# KiCad board panel-74pad-70pin-mezzanine.kicad_pcb (continued)
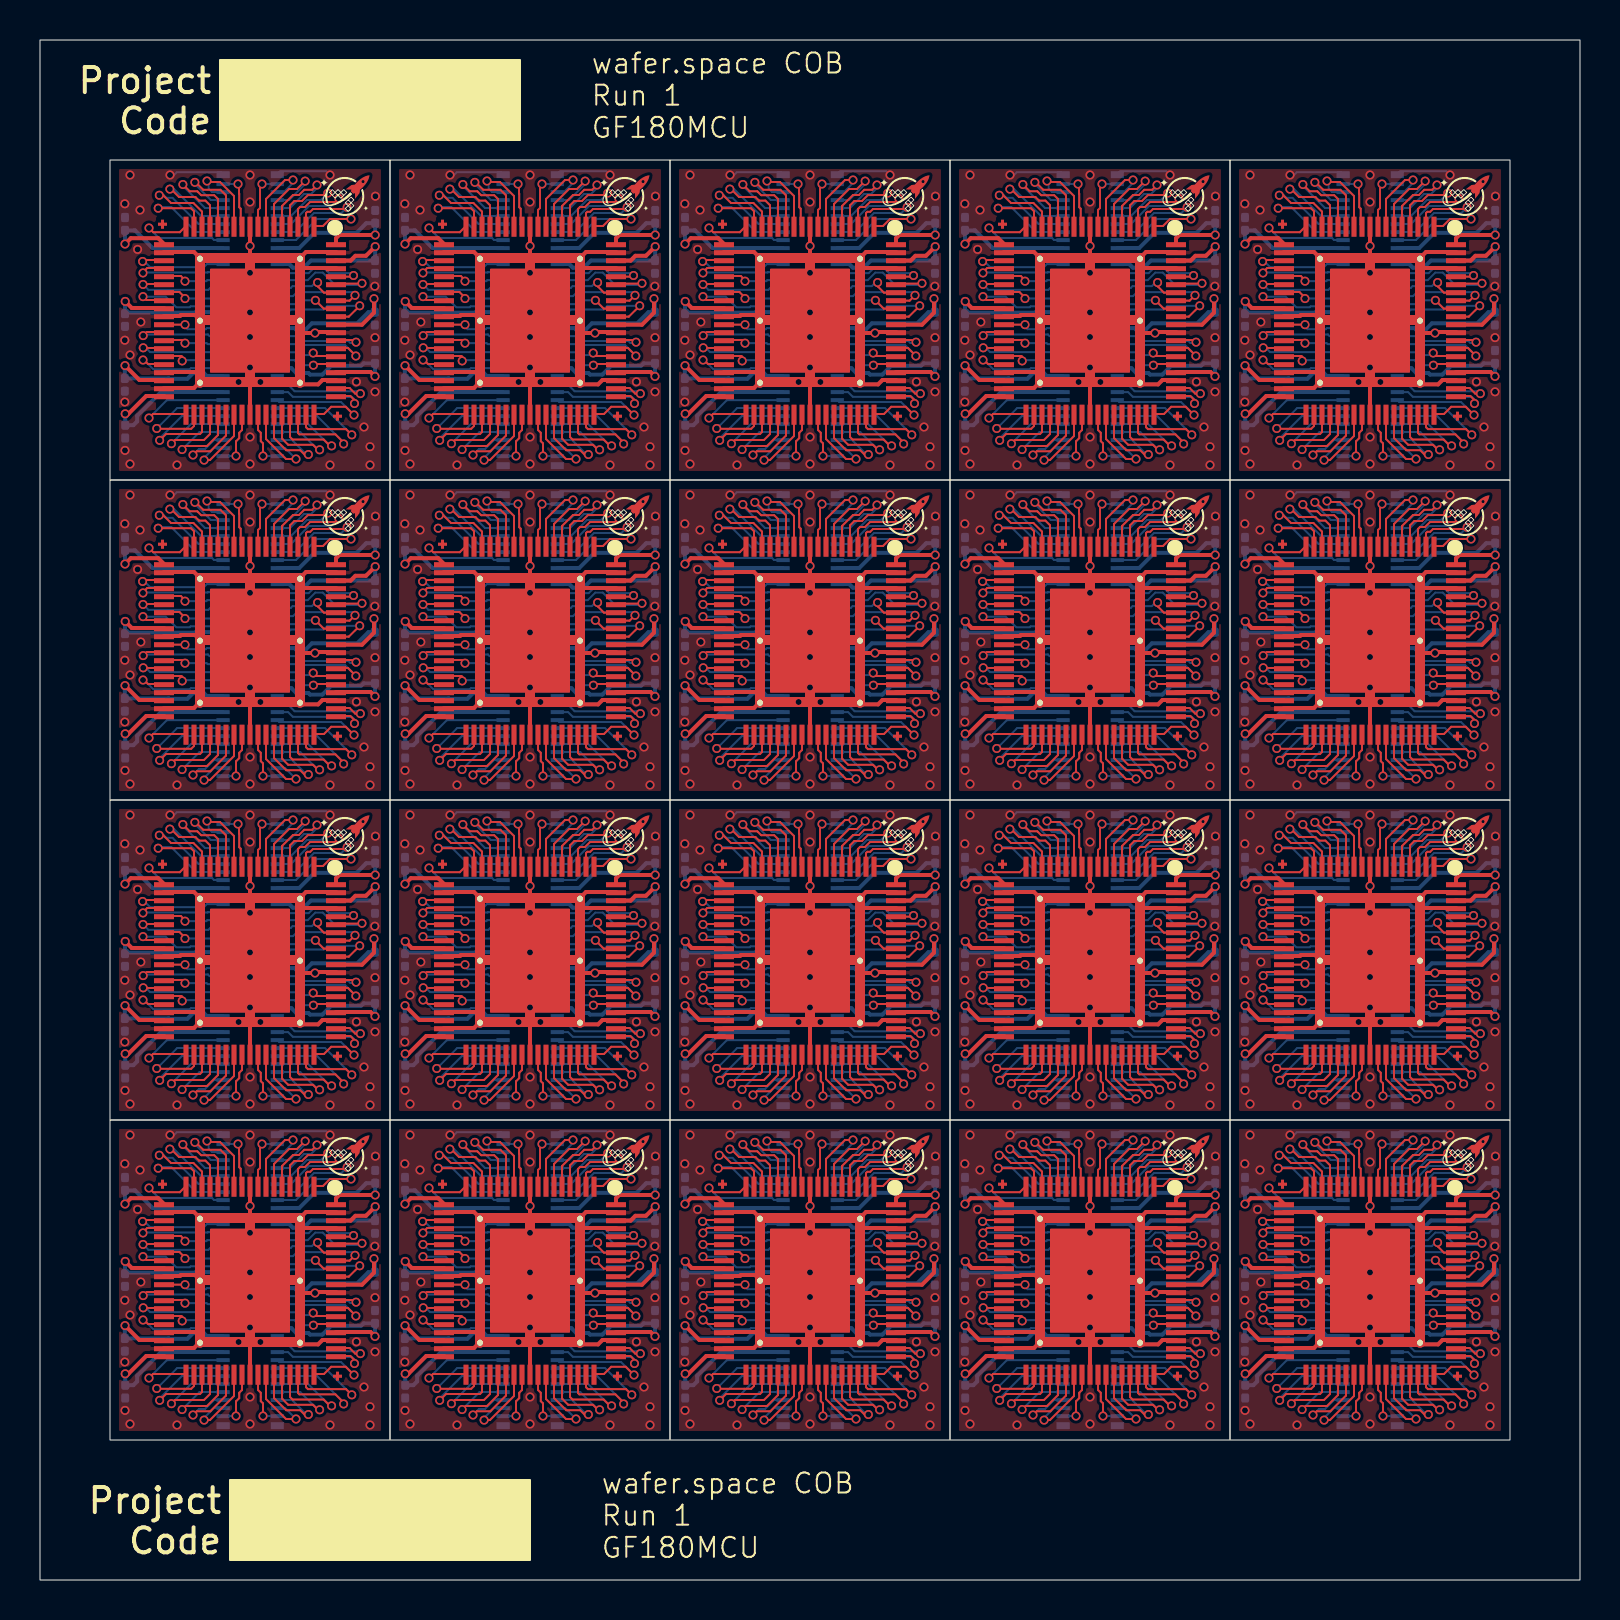
[diagram p0: board, top side]
## Routing (per net, layer and track width the routed paths; a pad name or vN(x,y) marks a point on that pad's centre or on a via; arc(x,y) is an arc through that point) (continued)
/pad_46: length 58.2
  Top w0.1: 66.9,10.3 66.9,9.5 67.04,9.36 67.04,8.94 67.15,8.83 v1(67.15,8.2) ; v1(11.15,40.2) 11.15,40.83 11.04,40.94 11.04,41.36 10.9,41.5 10.9,42.3 ; 24.9,26.3 24.9,25.5 25.04,25.36 25.04,24.94 25.15,24.83 v1(25.15,24.2) ; 66.9,42.3 66.9,41.5 67.04,41.36 67.04,40.94 67.15,40.83 v1(67.15,40.2) ; v1(39.15,56.2) 39.15,56.83 39.04,56.94 39.04,57.36 38.9,57.5 38.9,58.3 ; 52.9,10.3 52.9,9.5 53.04,9.36 53.04,8.94 53.15,8.83 v1(53.15,8.2) ; v1(53.15,40.2) 53.15,40.83 53.04,40.94 53.04,41.36 52.9,41.5 52.9,42.3 ; 38.9,26.3 38.9,25.5 39.04,25.36 39.04,24.94 39.15,24.83 v1(39.15,24.2) ; v1(11.15,8.2) 11.15,8.83 11.04,8.94 11.04,9.36 10.9,9.5 10.9,10.3 ; 10.9,58.3 10.9,57.5 11.04,57.36 11.04,56.94 11.15,56.83 v1(11.15,56.2) ; v1(25.15,56.2) 25.15,56.83 25.04,56.94 25.04,57.36 24.9,57.5 24.9,58.3 ; v1(39.15,8.2) 39.15,8.83 39.04,8.94 39.04,9.36 38.9,9.5 38.9,10.3 ; 66.9,26.3 66.9,25.5 67.04,25.36 67.04,24.94 67.15,24.83 v1(67.15,24.2) ; v1(39.15,40.2) 39.15,40.83 39.04,40.94 39.04,41.36 38.9,41.5 38.9,42.3 ; v1(53.15,24.2) 53.15,24.83 53.04,24.94 53.04,25.36 52.9,25.5 52.9,26.3 ; 66.9,58.3 66.9,57.5 67.04,57.36 67.04,56.94 67.15,56.83 v1(67.15,56.2) ; v1(11.15,24.2) 11.15,24.83 11.04,24.94 11.04,25.36 10.9,25.5 10.9,26.3 ; 24.9,42.3 24.9,41.5 25.04,41.36 25.04,40.94 25.15,40.83 v1(25.15,40.2) ; 24.9,10.3 24.9,9.5 25.04,9.36 25.04,8.94 25.15,8.83 v1(25.15,8.2) ; v1(53.15,56.2) 53.15,56.83 53.04,56.94 53.04,57.36 52.9,57.5 52.9,58.3
  Bottom w0.1: v1(53.15,8.2) 53.85,8.2 ; v1(11.15,56.2) 11.85,56.2 ; v1(67.15,8.2) 67.86,8.2 ; v1(67.15,56.2) 67.86,56.2 ; v1(39.15,56.2) 39.85,56.2 ; v1(39.15,40.2) 39.85,40.2 ; v1(67.15,40.2) 67.86,40.2 ; v1(11.15,8.2) 11.85,8.2 ; v1(67.15,24.2) 67.86,24.2 ; v1(11.15,40.2) 11.85,40.2 ; v1(25.15,8.2) 25.85,8.2 ; v1(53.15,56.2) 53.85,56.2 ; v1(25.15,40.2) 25.85,40.2 ; v1(53.15,40.2) 53.85,40.2 ; v1(25.15,24.2) 25.85,24.2 ; v1(25.15,56.2) 25.85,56.2 ; v1(11.15,24.2) 11.85,24.2 ; v1(39.15,24.2) 39.85,24.2 ; v1(39.15,8.2) 39.85,8.2 ; v1(53.15,24.2) 53.85,24.2
/pad_47: length 86.7
  Top w0.1: v1(26.8,24.05) 26.3,24.05 25.3,25.05 25.3,26.3 ; v1(26.8,40.05) 26.3,40.05 25.3,41.05 25.3,42.3 ; v1(68.8,8.05) 68.3,8.05 67.3,9.05 67.3,10.3 ; v1(54.8,24.05) 54.3,24.05 53.3,25.05 53.3,26.3 ; v1(54.8,56.05) 54.3,56.05 53.3,57.05 53.3,58.3 ; 11.3,10.3 11.3,9.05 12.3,8.05 v1(12.8,8.05) ; 53.3,42.3 53.3,41.05 54.3,40.05 v1(54.8,40.05) ; v1(12.8,40.05) 12.3,40.05 11.3,41.05 11.3,42.3 ; 39.3,26.3 39.3,25.05 40.3,24.05 v1(40.8,24.05) ; 39.3,10.3 39.3,9.05 40.3,8.05 v1(40.8,8.05) ; 25.3,58.3 25.3,57.05 26.3,56.05 v1(26.8,56.05) ; v1(54.8,8.05) 54.3,8.05 53.3,9.05 53.3,10.3 ; 25.3,10.3 25.3,9.05 26.3,8.05 v1(26.8,8.05) ; 11.3,26.3 11.3,25.05 12.3,24.05 v1(12.8,24.05) ; 67.3,26.3 67.3,25.05 68.3,24.05 v1(68.8,24.05) ; 39.3,42.3 39.3,41.05 40.3,40.05 v1(40.8,40.05) ; v1(40.8,56.05) 40.3,56.05 39.3,57.05 39.3,58.3 ; 11.3,58.3 11.3,57.05 12.3,56.05 v1(12.8,56.05) ; 67.3,42.3 67.3,41.05 68.3,40.05 v1(68.8,40.05) ; 67.3,58.3 67.3,57.05 68.3,56.05 v1(68.8,56.05)
  Bottom w0.1: v1(68.8,8.05) 68.25,8.6 67.86,8.6 ; 39.85,40.6 40.25,40.6 v1(40.8,40.05) ; 53.85,40.6 54.25,40.6 v1(54.8,40.05) ; v1(68.8,24.05) 68.25,24.6 67.86,24.6 ; 11.85,24.6 12.25,24.6 v1(12.8,24.05) ; 53.85,56.6 54.25,56.6 v1(54.8,56.05) ; v1(12.8,8.05) 12.25,8.6 11.85,8.6 ; v1(26.8,40.05) 26.25,40.6 25.85,40.6 ; v1(26.8,56.05) 26.25,56.6 25.85,56.6 ; v1(40.8,24.05) 40.25,24.6 39.85,24.6 ; 39.85,8.6 40.25,8.6 v1(40.8,8.05) ; 39.85,56.6 40.25,56.6 v1(40.8,56.05) ; 53.85,24.6 54.25,24.6 v1(54.8,24.05) ; v1(68.8,56.05) 68.25,56.6 67.86,56.6 ; 11.85,40.6 12.25,40.6 v1(12.8,40.05) ; v1(12.8,56.05) 12.25,56.6 11.85,56.6 ; v1(26.8,8.05) 26.25,8.6 25.85,8.6 ; 53.85,8.6 54.25,8.6 v1(54.8,8.05) ; v1(68.8,40.05) 68.25,40.6 67.86,40.6 ; v1(26.8,24.05) 26.25,24.6 25.85,24.6
/pad_48: length 102.5
  Top w0.1: 25.7,42.3 25.7,41.1 26.31,40.49 27.01,40.49 27.23,40.27 v1(27.42,40.27) ; 11.7,42.3 11.7,41.1 12.31,40.49 13.01,40.49 13.23,40.27 v1(13.42,40.27) ; 39.7,26.3 39.7,25.1 40.31,24.49 41.01,24.49 41.23,24.27 v1(41.42,24.27) ; 67.7,42.3 67.7,41.1 68.31,40.49 69.01,40.49 69.23,40.27 v1(69.42,40.27) ; 53.7,58.3 53.7,57.1 54.31,56.49 55.01,56.49 55.23,56.27 v1(55.42,56.27) ; 53.7,26.3 53.7,25.1 54.31,24.49 55.01,24.49 55.23,24.27 v1(55.42,24.27) ; 25.7,10.3 25.7,9.1 26.31,8.49 27.01,8.49 27.23,8.27 v1(27.42,8.27) ; v1(41.42,56.27) 41.23,56.27 41.01,56.49 40.31,56.49 39.7,57.1 39.7,58.3 ; v1(41.42,40.27) 41.23,40.27 41.01,40.49 40.31,40.49 39.7,41.1 39.7,42.3 ; 11.7,58.3 11.7,57.1 12.31,56.49 13.01,56.49 13.23,56.27 v1(13.42,56.27) ; 39.7,10.3 39.7,9.1 40.31,8.49 41.01,8.49 41.23,8.27 v1(41.42,8.27) ; v1(13.42,24.27) 13.23,24.27 13.01,24.49 12.31,24.49 11.7,25.1 11.7,26.3 ; v1(27.42,56.27) 27.23,56.27 27.01,56.49 26.31,56.49 25.7,57.1 25.7,58.3 ; 67.7,26.3 67.7,25.1 68.31,24.49 69.01,24.49 69.23,24.27 v1(69.42,24.27) ; 53.7,42.3 53.7,41.1 54.31,40.49 55.01,40.49 55.23,40.27 v1(55.42,40.27) ; v1(69.42,8.27) 69.23,8.27 69.01,8.49 68.31,8.49 67.7,9.1 67.7,10.3 ; 53.7,10.3 53.7,9.1 54.31,8.49 55.01,8.49 55.23,8.27 v1(55.42,8.27) ; 11.7,10.3 11.7,9.1 12.31,8.49 13.01,8.49 13.23,8.27 v1(13.42,8.27) ; v1(27.42,24.27) 27.23,24.27 27.01,24.49 26.31,24.49 25.7,25.1 25.7,26.3 ; v1(69.42,56.27) 69.23,56.27 69.01,56.49 68.31,56.49 67.7,57.1 67.7,58.3
  Bottom w0.1: v1(55.42,24.27) 55.33,24.27 54.6,25 53.85,25 ; v1(27.42,40.27) 27.33,40.27 26.6,41 25.85,41 ; v1(27.42,24.27) 27.33,24.27 26.6,25 25.85,25 ; v1(69.42,24.27) 69.33,24.27 68.6,25 67.86,25 ; v1(55.42,56.27) 55.33,56.27 54.6,57 53.85,57 ; v1(41.42,8.27) 41.33,8.27 40.6,9 39.85,9 ; 53.85,9 54.6,9 55.33,8.27 v1(55.42,8.27) ; v1(13.42,8.27) 13.33,8.27 12.6,9 11.85,9 ; v1(41.42,56.27) 41.33,56.27 40.6,57 39.85,57 ; v1(69.42,40.27) 69.33,40.27 68.6,41 67.86,41 ; v1(27.42,8.27) 27.33,8.27 26.6,9 25.85,9 ; 25.85,57 26.6,57 27.33,56.27 v1(27.42,56.27) ; v1(13.42,56.27) 13.33,56.27 12.6,57 11.85,57 ; 11.85,25 12.6,25 13.33,24.27 v1(13.42,24.27) ; 67.86,9 68.6,9 69.33,8.27 v1(69.42,8.27) ; v1(69.42,56.27) 69.33,56.27 68.6,57 67.86,57 ; 11.85,41 12.6,41 13.33,40.27 v1(13.42,40.27) ; 39.85,41 40.6,41 41.33,40.27 v1(41.42,40.27) ; 39.85,25 40.6,25 41.33,24.27 v1(41.42,24.27) ; v1(55.42,40.27) 55.33,40.27 54.6,41 53.85,41
/pad_49: length 116.7
  Top w0.1: v1(41.98,40.51) 41.9,40.51 41.65,40.76 40.41,40.76 40.1,41.07 40.1,42.3 ; 26.1,42.3 26.1,41.07 26.41,40.76 27.65,40.76 27.9,40.51 v1(27.98,40.51) ; 68.1,58.3 68.1,57.07 68.41,56.76 69.65,56.76 69.9,56.51 v1(69.98,56.51) ; 54.1,58.3 54.1,57.07 54.41,56.76 55.65,56.76 55.9,56.51 v1(55.98,56.51) ; v1(13.98,56.51) 13.9,56.51 13.65,56.76 12.41,56.76 12.1,57.07 12.1,58.3 ; 40.1,10.3 40.1,9.07 40.41,8.76 41.65,8.76 41.9,8.51 v1(41.98,8.51) ; v1(13.98,8.51) 13.9,8.51 13.65,8.76 12.41,8.76 12.1,9.07 12.1,10.3 ; v1(69.98,40.51) 69.9,40.51 69.65,40.76 68.41,40.76 68.1,41.07 68.1,42.3 ; v1(55.98,24.51) 55.9,24.51 55.65,24.76 54.41,24.76 54.1,25.07 54.1,26.3 ; v1(27.98,8.51) 27.9,8.51 27.65,8.76 26.41,8.76 26.1,9.07 26.1,10.3 ; v1(55.98,40.51) 55.9,40.51 55.65,40.76 54.41,40.76 54.1,41.07 54.1,42.3 ; 12.1,26.3 12.1,25.07 12.41,24.76 13.65,24.76 13.9,24.51 v1(13.98,24.51) ; 26.1,58.3 26.1,57.07 26.41,56.76 27.65,56.76 27.9,56.51 v1(27.98,56.51) ; v1(69.98,8.51) 69.9,8.51 69.65,8.76 68.41,8.76 68.1,9.07 68.1,10.3 ; 40.1,26.3 40.1,25.07 40.41,24.76 41.65,24.76 41.9,24.51 v1(41.98,24.51) ; v1(13.98,40.51) 13.9,40.51 13.65,40.76 12.41,40.76 12.1,41.07 12.1,42.3 ; 26.1,26.3 26.1,25.07 26.41,24.76 27.65,24.76 27.9,24.51 v1(27.98,24.51) ; v1(55.98,8.51) 55.9,8.51 55.65,8.76 54.41,8.76 54.1,9.07 54.1,10.3 ; 40.1,58.3 40.1,57.07 40.41,56.76 41.65,56.76 41.9,56.51 v1(41.98,56.51) ; 68.1,26.3 68.1,25.07 68.41,24.76 69.65,24.76 69.9,24.51 v1(69.98,24.51)
  Bottom w0.1: 39.85,41.4 41.01,41.4 41.9,40.51 v1(41.98,40.51) ; 53.85,41.4 55.01,41.4 55.9,40.51 v1(55.98,40.51) ; 25.85,57.4 27.01,57.4 27.9,56.51 v1(27.98,56.51) ; 53.85,57.4 55.01,57.4 55.9,56.51 v1(55.98,56.51) ; v1(69.98,56.51) 69.9,56.51 69.01,57.4 67.86,57.4 ; 11.85,9.4 13.01,9.4 13.9,8.51 v1(13.98,8.51) ; v1(55.98,24.51) 55.9,24.51 55.01,25.4 53.85,25.4 ; v1(13.98,40.51) 13.9,40.51 13.01,41.4 11.85,41.4 ; v1(69.98,40.51) 69.9,40.51 69.01,41.4 67.86,41.4 ; 11.85,25.4 13.01,25.4 13.9,24.51 v1(13.98,24.51) ; 39.85,25.4 41.01,25.4 41.9,24.51 v1(41.98,24.51) ; 39.85,57.4 41.01,57.4 41.9,56.51 v1(41.98,56.51) ; v1(27.98,8.51) 27.9,8.51 27.01,9.4 25.85,9.4 ; v1(27.98,40.51) 27.9,40.51 27.01,41.4 25.85,41.4 ; 25.85,25.4 27.01,25.4 27.9,24.51 v1(27.98,24.51) ; v1(41.98,8.51) 41.9,8.51 41.01,9.4 39.85,9.4 ; v1(69.98,8.51) 69.9,8.51 69.01,9.4 67.86,9.4 ; 67.86,25.4 69.01,25.4 69.9,24.51 v1(69.98,24.51) ; 11.85,57.4 13.01,57.4 13.9,56.51 v1(13.98,56.51) ; 53.85,9.4 55.01,9.4 55.9,8.51 v1(55.98,8.51)
/pad_50: length 131.8
  Top w0.1: v1(56.58,8.71) 56.5,8.71 56.18,9.02 54.63,9.02 54.5,9.15 54.5,10.3 ; v1(14.58,8.71) 14.5,8.71 14.18,9.02 12.63,9.02 12.5,9.15 12.5,10.3 ; v1(14.58,40.71) 14.5,40.71 14.18,41.02 12.63,41.02 12.5,41.15 12.5,42.3 ; v1(70.58,40.71) 70.5,40.71 70.18,41.02 68.63,41.02 68.5,41.15 68.5,42.3 ; v1(42.58,40.71) 42.5,40.71 42.18,41.02 40.63,41.02 40.5,41.15 40.5,42.3 ; 68.5,10.3 68.5,9.15 68.63,9.02 70.18,9.02 70.5,8.71 v1(70.58,8.71) ; 26.5,42.3 26.5,41.15 26.63,41.02 28.18,41.02 28.5,40.71 v1(28.58,40.71) ; 54.5,26.3 54.5,25.15 54.63,25.02 56.18,25.02 56.5,24.71 v1(56.58,24.71) ; 26.5,10.3 26.5,9.15 26.63,9.02 28.18,9.02 28.5,8.71 v1(28.58,8.71) ; v1(56.58,56.71) 56.5,56.71 56.18,57.02 54.63,57.02 54.5,57.15 54.5,58.3 ; v1(42.58,24.71) 42.5,24.71 42.18,25.02 40.63,25.02 40.5,25.15 40.5,26.3 ; v1(42.58,56.71) 42.5,56.71 42.18,57.02 40.63,57.02 40.5,57.15 40.5,58.3 ; 68.5,58.3 68.5,57.15 68.63,57.02 70.18,57.02 70.5,56.71 v1(70.58,56.71) ; 54.5,42.3 54.5,41.15 54.63,41.02 56.18,41.02 56.5,40.71 v1(56.58,40.71) ; v1(42.58,8.71) 42.5,8.71 42.18,9.02 40.63,9.02 40.5,9.15 40.5,10.3 ; v1(28.58,56.71) 28.5,56.71 28.18,57.02 26.63,57.02 26.5,57.15 26.5,58.3 ; 12.5,58.3 12.5,57.15 12.63,57.02 14.18,57.02 14.5,56.71 v1(14.58,56.71) ; v1(28.58,24.71) 28.5,24.71 28.18,25.02 26.63,25.02 26.5,25.15 26.5,26.3 ; 68.5,26.3 68.5,25.15 68.63,25.02 70.18,25.02 70.5,24.71 v1(70.58,24.71) ; v1(14.58,24.71) 14.5,24.71 14.18,25.02 12.63,25.02 12.5,25.15 12.5,26.3
  Bottom w0.1: 11.85,41.8 13.41,41.8 14.5,40.71 v1(14.58,40.71) ; 67.86,9.8 69.41,9.8 70.5,8.71 v1(70.58,8.71) ; v1(56.58,40.71) 56.5,40.71 55.41,41.8 53.85,41.8 ; v1(28.58,56.71) 28.5,56.71 27.41,57.8 25.85,57.8 ; v1(14.58,24.71) 14.5,24.71 13.41,25.8 11.85,25.8 ; 67.86,57.8 69.41,57.8 70.5,56.71 v1(70.58,56.71) ; v1(42.58,40.71) 42.5,40.71 41.41,41.8 39.85,41.8 ; v1(14.58,56.71) 14.5,56.71 13.41,57.8 11.85,57.8 ; v1(42.58,8.71) 42.5,8.71 41.41,9.8 39.85,9.8 ; v1(28.58,40.71) 28.5,40.71 27.41,41.8 25.85,41.8 ; 39.85,25.8 41.41,25.8 42.5,24.71 v1(42.58,24.71) ; 25.85,25.8 27.41,25.8 28.5,24.71 v1(28.58,24.71) ; v1(70.58,24.71) 70.5,24.71 69.41,25.8 67.86,25.8 ; v1(42.58,56.71) 42.5,56.71 41.41,57.8 39.85,57.8 ; v1(56.58,24.71) 56.5,24.71 55.41,25.8 53.85,25.8 ; 67.86,41.8 69.41,41.8 70.5,40.71 v1(70.58,40.71) ; v1(56.58,56.71) 56.5,56.71 55.41,57.8 53.85,57.8 ; v1(28.58,8.71) 28.5,8.71 27.41,9.8 25.85,9.8 ; v1(56.58,8.71) 56.5,8.71 55.41,9.8 53.85,9.8 ; 11.85,9.8 13.41,9.8 14.5,8.71 v1(14.58,8.71)
/pad_51: length 148.9
  Top w0.1: 26.9,58.3 26.9,57.35 26.97,57.28 28.77,57.28 29.18,56.87 v1(29.18,56.8) ; v1(15.18,8.8) 15.18,8.87 14.77,9.28 12.97,9.28 12.9,9.35 12.9,10.3 ; v1(15.18,56.8) 15.18,56.87 14.77,57.28 12.97,57.28 12.9,57.35 12.9,58.3 ; 68.9,10.3 68.9,9.35 68.97,9.28 70.77,9.28 71.18,8.87 v1(71.18,8.8) ; 54.9,10.3 54.9,9.35 54.97,9.28 56.77,9.28 57.18,8.87 v1(57.18,8.8) ; v1(57.18,24.8) 57.18,24.87 56.77,25.28 54.97,25.28 54.9,25.35 54.9,26.3 ; 54.9,58.3 54.9,57.35 54.97,57.28 56.77,57.28 57.18,56.87 v1(57.18,56.8) ; v1(15.18,40.8) 15.18,40.87 14.77,41.28 12.97,41.28 12.9,41.35 12.9,42.3 ; 40.9,26.3 40.9,25.35 40.97,25.28 42.77,25.28 43.18,24.87 v1(43.18,24.8) ; 12.9,26.3 12.9,25.35 12.97,25.28 14.77,25.28 15.18,24.87 v1(15.18,24.8) ; 40.9,42.3 40.9,41.35 40.97,41.28 42.77,41.28 43.18,40.87 v1(43.18,40.8) ; v1(71.18,56.8) 71.18,56.87 70.77,57.28 68.97,57.28 68.9,57.35 68.9,58.3 ; 54.9,42.3 54.9,41.35 54.97,41.28 56.77,41.28 57.18,40.87 v1(57.18,40.8) ; v1(29.18,40.8) 29.18,40.87 28.77,41.28 26.97,41.28 26.9,41.35 26.9,42.3 ; 26.9,10.3 26.9,9.35 26.97,9.28 28.77,9.28 29.18,8.87 v1(29.18,8.8) ; 68.9,26.3 68.9,25.35 68.97,25.28 70.77,25.28 71.18,24.87 v1(71.18,24.8) ; v1(43.18,8.8) 43.18,8.87 42.77,9.28 40.97,9.28 40.9,9.35 40.9,10.3 ; 26.9,26.3 26.9,25.35 26.97,25.28 28.77,25.28 29.18,24.87 v1(29.18,24.8) ; v1(71.18,40.8) 71.18,40.87 70.77,41.28 68.97,41.28 68.9,41.35 68.9,42.3 ; 40.9,58.3 40.9,57.35 40.97,57.28 42.77,57.28 43.18,56.87 v1(43.18,56.8)
  Bottom w0.1: 67.86,42.2 69.85,42.2 71.18,40.87 v1(71.18,40.8) ; v1(29.18,24.8) 29.18,24.87 27.85,26.2 25.85,26.2 ; 11.85,10.2 13.85,10.2 15.18,8.87 v1(15.18,8.8) ; 39.85,10.2 41.85,10.2 43.18,8.87 v1(43.18,8.8) ; 25.85,42.2 27.85,42.2 29.18,40.87 v1(29.18,40.8) ; v1(15.18,40.8) 15.18,40.87 13.85,42.2 11.85,42.2 ; v1(57.18,56.8) 57.18,56.87 55.85,58.2 53.85,58.2 ; 53.85,10.2 55.85,10.2 57.18,8.87 v1(57.18,8.8) ; 25.85,58.2 27.85,58.2 29.18,56.87 v1(29.18,56.8) ; v1(57.18,40.8) 57.18,40.87 55.85,42.2 53.85,42.2 ; v1(71.18,56.8) 71.18,56.87 69.85,58.2 67.86,58.2 ; v1(43.18,24.8) 43.18,24.87 41.85,26.2 39.85,26.2 ; 25.85,10.2 27.85,10.2 29.18,8.87 v1(29.18,8.8) ; v1(71.18,24.8) 71.18,24.87 69.85,26.2 67.86,26.2 ; v1(57.18,24.8) 57.18,24.87 55.85,26.2 53.85,26.2 ; v1(15.18,24.8) 15.18,24.87 13.85,26.2 11.85,26.2 ; v1(43.18,56.8) 43.18,56.87 41.85,58.2 39.85,58.2 ; v1(43.18,40.8) 43.18,40.87 41.85,42.2 39.85,42.2 ; 67.86,10.2 69.85,10.2 71.18,8.87 v1(71.18,8.8) ; v1(15.18,56.8) 15.18,56.87 13.85,58.2 11.85,58.2
/pad_52: length 147.9
  Top w0.1: v1(43.59,41.26) 43.3,41.54 41.4,41.54 41.3,41.64 41.3,42.3 ; v1(29.59,25.26) 29.3,25.54 27.4,25.54 27.3,25.64 27.3,26.3 ; v1(29.59,41.26) 29.3,41.54 27.4,41.54 27.3,41.64 27.3,42.3 ; v1(29.59,9.26) 29.3,9.54 27.4,9.54 27.3,9.64 27.3,10.3 ; 55.3,10.3 55.3,9.64 55.4,9.54 57.3,9.54 v1(57.59,9.26) ; 55.3,58.3 55.3,57.64 55.4,57.54 57.3,57.54 v1(57.59,57.26) ; v1(15.59,9.26) 15.3,9.54 13.4,9.54 13.3,9.64 13.3,10.3 ; 13.3,26.3 13.3,25.64 13.4,25.54 15.3,25.54 v1(15.59,25.26) ; 13.3,42.3 13.3,41.64 13.4,41.54 15.3,41.54 v1(15.59,41.26) ; v1(43.59,25.26) 43.3,25.54 41.4,25.54 41.3,25.64 41.3,26.3 ; 55.3,26.3 55.3,25.64 55.4,25.54 57.3,25.54 v1(57.59,25.26) ; v1(71.59,25.26) 71.3,25.54 69.4,25.54 69.3,25.64 69.3,26.3 ; 13.3,58.3 13.3,57.64 13.4,57.54 15.3,57.54 v1(15.59,57.26) ; 69.3,10.3 69.3,9.64 69.4,9.54 71.3,9.54 v1(71.59,9.26) ; 69.3,42.3 69.3,41.64 69.4,41.54 71.3,41.54 v1(71.59,41.26) ; v1(43.59,9.26) 43.3,9.54 41.4,9.54 41.3,9.64 41.3,10.3 ; 27.3,58.3 27.3,57.64 27.4,57.54 29.3,57.54 v1(29.59,57.26) ; v1(71.59,57.26) 71.3,57.54 69.4,57.54 69.3,57.64 69.3,58.3 ; v1(57.59,41.26) 57.3,41.54 55.4,41.54 55.3,41.64 55.3,42.3 ; v1(43.59,57.26) 43.3,57.54 41.4,57.54 41.3,57.64 41.3,58.3
  Bottom w0.1: v1(43.59,41.26) 42.25,42.6 39.85,42.6 ; 25.85,26.6 28.25,26.6 v1(29.59,25.26) ; v1(43.59,57.26) 42.25,58.6 39.85,58.6 ; v1(43.59,9.26) 42.25,10.6 39.85,10.6 ; v1(57.59,25.26) 56.25,26.6 53.85,26.6 ; v1(57.59,9.26) 56.25,10.6 53.85,10.6 ; v1(15.59,9.26) 14.25,10.6 11.85,10.6 ; v1(29.59,57.26) 28.25,58.6 25.85,58.6 ; 11.85,58.6 14.25,58.6 v1(15.59,57.26) ; 25.85,42.6 28.25,42.6 v1(29.59,41.26) ; v1(57.59,57.26) 56.25,58.6 53.85,58.6 ; 39.85,26.6 42.25,26.6 v1(43.59,25.26) ; 67.86,58.6 70.25,58.6 v1(71.59,57.26) ; 53.85,42.6 56.25,42.6 v1(57.59,41.26) ; 11.85,26.6 14.25,26.6 v1(15.59,25.26) ; 67.86,26.6 70.25,26.6 v1(71.59,25.26) ; v1(15.59,41.26) 14.25,42.6 11.85,42.6 ; v1(29.59,9.26) 28.25,10.6 25.85,10.6 ; v1(71.59,41.26) 70.25,42.6 67.86,42.6 ; v1(71.59,9.26) 70.25,10.6 67.86,10.6
/pad_53: length 129.3
  Top w0.1: v1(71.7,10.25) 71.29,10.66 70.56,10.66 70.2,10.3 69.7,10.3 ; v1(29.7,58.25) 29.29,58.66 28.56,58.66 28.2,58.3 27.7,58.3 ; 41.7,10.3 42.2,10.3 42.56,10.66 43.29,10.66 v1(43.7,10.25) ; v1(43.7,58.25) 43.29,58.66 42.56,58.66 42.2,58.3 41.7,58.3 ; v1(71.7,26.25) 71.29,26.66 70.56,26.66 70.2,26.3 69.7,26.3 ; 69.7,58.3 70.2,58.3 70.56,58.66 71.29,58.66 v1(71.7,58.25) ; 27.7,10.3 28.2,10.3 28.56,10.66 29.29,10.66 v1(29.7,10.25) ; v1(71.7,42.25) 71.29,42.66 70.56,42.66 70.2,42.3 69.7,42.3 ; v1(57.7,58.25) 57.29,58.66 56.56,58.66 56.2,58.3 55.7,58.3 ; v1(15.7,42.25) 15.29,42.66 14.56,42.66 14.2,42.3 13.7,42.3 ; 27.7,42.3 28.2,42.3 28.56,42.66 29.29,42.66 v1(29.7,42.25) ; v1(57.7,26.25) 57.29,26.66 56.56,26.66 56.2,26.3 55.7,26.3 ; 41.7,42.3 42.2,42.3 42.56,42.66 43.29,42.66 v1(43.7,42.25) ; 27.7,26.3 28.2,26.3 28.56,26.66 29.29,26.66 v1(29.7,26.25) ; v1(15.7,10.25) 15.29,10.66 14.56,10.66 14.2,10.3 13.7,10.3 ; 55.7,10.3 56.2,10.3 56.56,10.66 57.29,10.66 v1(57.7,10.25) ; v1(57.7,42.25) 57.29,42.66 56.56,42.66 56.2,42.3 55.7,42.3 ; 13.7,26.3 14.2,26.3 14.56,26.66 15.29,26.66 v1(15.7,26.25) ; 13.7,58.3 14.2,58.3 14.56,58.66 15.29,58.66 v1(15.7,58.25) ; 41.7,26.3 42.2,26.3 42.56,26.66 43.29,26.66 v1(43.7,26.25)
  Bottom w0.1: U121.28 11.96,26.9 15.05,26.9 v1(15.7,26.25) ; v1(15.7,42.25) 15.05,42.9 11.96,42.9 U111.28 ; v1(71.7,26.25) 71.05,26.9 67.96,26.9 U129.28 ; U123.28 25.96,26.9 29.05,26.9 v1(29.7,26.25) ; v1(71.7,10.25) 71.05,10.9 67.96,10.9 U139.28 ; U137.28 53.96,10.9 57.05,10.9 v1(57.7,10.25) ; v1(57.7,42.25) 57.05,42.9 53.96,42.9 U117.28 ; U107.28 53.96,58.9 57.05,58.9 v1(57.7,58.25) ; U103.28 25.96,58.9 29.05,58.9 v1(29.7,58.25) ; v1(15.7,10.25) 15.05,10.9 11.96,10.9 U131.28 ; U109.28 67.96,58.9 71.05,58.9 v1(71.7,58.25) ; v1(43.7,10.25) 43.05,10.9 39.96,10.9 U135.28 ; U119.28 67.96,42.9 71.05,42.9 v1(71.7,42.25) ; v1(15.7,58.25) 15.05,58.9 11.96,58.9 U101.28 ; U127.28 53.96,26.9 57.05,26.9 v1(57.7,26.25) ; U125.28 39.96,26.9 43.05,26.9 v1(43.7,26.25) ; v1(43.7,58.25) 43.05,58.9 39.96,58.9 U105.28 ; v1(43.7,42.25) 43.05,42.9 39.96,42.9 U115.28 ; U133.28 25.96,10.9 29.05,10.9 v1(29.7,10.25) ; U113.28 25.96,42.9 29.05,42.9 v1(29.7,42.25)
/pad_54: length 107.9
  Top w0.1: 56.8,27.2 57.52,27.2 57.71,27.01 57.71,26.83 v1(57.72,26.82) ; v1(15.72,58.82) 15.71,58.83 15.71,59.01 15.52,59.2 14.8,59.2 ; 42.8,27.2 43.52,27.2 43.71,27.01 43.71,26.83 v1(43.72,26.82) ; v1(57.72,10.82) 57.71,10.83 57.71,11.01 57.52,11.2 56.8,11.2 ; 70.8,11.2 71.52,11.2 71.71,11.01 71.71,10.83 v1(71.72,10.82) ; v1(57.72,58.82) 57.71,58.83 57.71,59.01 57.52,59.2 56.8,59.2 ; 14.8,43.2 15.52,43.2 15.71,43.01 15.71,42.83 v1(15.72,42.82) ; v1(29.72,42.82) 29.71,42.83 29.71,43.01 29.52,43.2 28.8,43.2 ; 28.8,59.2 29.52,59.2 29.71,59.01 29.71,58.83 v1(29.72,58.82) ; 28.8,27.2 29.52,27.2 29.71,27.01 29.71,26.83 v1(29.72,26.82) ; v1(15.72,10.82) 15.71,10.83 15.71,11.01 15.52,11.2 14.8,11.2 ; 70.8,27.2 71.52,27.2 71.71,27.01 71.71,26.83 v1(71.72,26.82) ; 42.8,43.2 43.52,43.2 43.71,43.01 43.71,42.83 v1(43.72,42.82) ; v1(57.72,42.82) 57.71,42.83 57.71,43.01 57.52,43.2 56.8,43.2 ; 14.8,27.2 15.52,27.2 15.71,27.01 15.71,26.83 v1(15.72,26.82) ; v1(29.72,10.82) 29.71,10.83 29.71,11.01 29.52,11.2 28.8,11.2 ; 42.8,59.2 43.52,59.2 43.71,59.01 43.71,58.83 v1(43.72,58.82) ; v1(71.72,58.82) 71.71,58.83 71.71,59.01 71.52,59.2 70.8,59.2 ; 42.8,11.2 43.52,11.2 43.71,11.01 43.71,10.83 v1(43.72,10.82) ; v1(71.72,42.82) 71.71,42.83 71.71,43.01 71.52,43.2 70.8,43.2
  Bottom w0.1: v1(71.72,26.82) 71.71,26.83 71.71,27.04 71.6,27.15 71.17,27.15 71.16,27.16 68.64,27.16 68.41,27.39 67.87,27.39 ; v1(71.72,10.82) 71.71,10.83 71.71,11.04 71.6,11.15 71.17,11.15 71.16,11.16 68.64,11.16 68.41,11.39 67.87,11.39 ; v1(43.72,42.82) 43.71,42.83 43.71,43.04 43.6,43.15 43.17,43.15 43.16,43.16 40.64,43.16 40.4,43.39 39.87,43.39 ; 11.87,27.39 12.4,27.39 12.64,27.16 15.16,27.16 15.17,27.15 15.6,27.15 15.71,27.04 15.71,26.83 v1(15.72,26.82) ; U107.27 54.4,59.4 54.64,59.16 57.16,59.16 57.17,59.15 57.6,59.15 57.71,59.04 57.71,58.83 v1(57.72,58.82) ; U101.27 12.4,59.4 12.64,59.16 15.16,59.16 15.17,59.15 15.6,59.15 15.71,59.04 15.71,58.83 v1(15.72,58.82) ; U109.27 68.41,59.4 68.64,59.16 71.16,59.16 71.17,59.15 71.6,59.15 71.71,59.04 71.71,58.83 v1(71.72,58.82) ; 11.87,11.39 12.4,11.39 12.64,11.16 15.16,11.16 15.17,11.15 15.6,11.15 15.71,11.04 15.71,10.83 v1(15.72,10.82) ; v1(43.72,26.82) 43.71,26.83 43.71,27.04 43.6,27.15 43.17,27.15 43.16,27.16 40.64,27.16 40.4,27.39 39.87,27.39 ; v1(29.72,42.82) 29.71,42.83 29.71,43.04 29.6,43.15 29.17,43.15 29.16,43.16 26.64,43.16 26.4,43.39 25.87,43.39 ; v1(57.72,26.82) 57.71,26.83 57.71,27.04 57.6,27.15 57.17,27.15 57.16,27.16 54.64,27.16 54.4,27.39 53.87,27.39 ; v1(29.72,10.82) 29.71,10.83 29.71,11.04 29.6,11.15 29.17,11.15 29.16,11.16 26.64,11.16 26.4,11.39 25.87,11.39 ; 67.87,43.39 68.41,43.39 68.64,43.16 71.16,43.16 71.17,43.15 71.6,43.15 71.71,43.04 71.71,42.83 v1(71.72,42.82) ; v1(57.72,42.82) 57.71,42.83 57.71,43.04 57.6,43.15 57.17,43.15 57.16,43.16 54.64,43.16 54.4,43.39 53.87,43.39 ; v1(43.72,58.82) 43.71,58.83 43.71,59.04 43.6,59.15 43.17,59.15 43.16,59.16 40.64,59.16 40.4,59.4 U105.27 ; U103.27 26.4,59.4 26.64,59.16 29.16,59.16 29.17,59.15 29.6,59.15 29.71,59.04 29.71,58.83 v1(29.72,58.82) ; 39.87,11.39 40.4,11.39 40.64,11.16 43.16,11.16 43.17,11.15 43.6,11.15 43.71,11.04 43.71,10.83 v1(43.72,10.82) ; 11.87,43.39 12.4,43.39 12.64,43.16 15.16,43.16 15.17,43.15 15.6,43.15 15.71,43.04 15.71,42.83 v1(15.72,42.82) ; 53.87,11.39 54.4,11.39 54.64,11.16 57.16,11.16 57.17,11.15 57.6,11.15 57.71,11.04 57.71,10.83 v1(57.72,10.82) ; 25.87,27.39 26.4,27.39 26.64,27.16 29.16,27.16 29.17,27.15 29.6,27.15 29.71,27.04 29.71,26.83 v1(29.72,26.82)
/pad_55: length 113.7
  Top w0.1: 70.8,43.6 71.48,43.6 71.76,43.32 v1(72.02,43.32) ; v1(30.02,59.32) 29.76,59.32 29.48,59.6 28.8,59.6 ; v1(72.02,27.32) 71.76,27.32 71.48,27.6 70.8,27.6 ; 42.8,43.6 43.48,43.6 43.76,43.32 v1(44.02,43.32) ; 14.8,11.6 15.48,11.6 15.76,11.32 v1(16.02,11.32) ; v1(44.02,59.32) 43.76,59.32 43.48,59.6 42.8,59.6 ; 14.8,27.6 15.48,27.6 15.76,27.32 v1(16.02,27.32) ; 14.8,59.6 15.48,59.6 15.76,59.32 v1(16.02,59.32) ; v1(58.02,11.32) 57.76,11.32 57.48,11.6 56.8,11.6 ; 70.8,59.6 71.48,59.6 71.76,59.32 v1(72.02,59.32) ; v1(30.02,11.32) 29.76,11.32 29.48,11.6 28.8,11.6 ; 14.8,43.6 15.48,43.6 15.76,43.32 v1(16.02,43.32) ; v1(30.02,27.32) 29.76,27.32 29.48,27.6 28.8,27.6 ; 28.8,43.6 29.48,43.6 29.76,43.32 v1(30.02,43.32) ; v1(72.02,11.32) 71.76,11.32 71.48,11.6 70.8,11.6 ; v1(44.02,27.32) 43.76,27.32 43.48,27.6 42.8,27.6 ; 56.8,27.6 57.48,27.6 57.76,27.32 v1(58.02,27.32) ; 56.8,59.6 57.48,59.6 57.76,59.32 v1(58.02,59.32) ; 42.8,11.6 43.48,11.6 43.76,11.32 v1(44.02,11.32) ; 56.8,43.6 57.48,43.6 57.76,43.32 v1(58.02,43.32)
  Bottom w0.1: v1(30.02,43.32) 29.95,43.32 29.84,43.44 26.73,43.44 26.37,43.8 U113.26 ; v1(44.02,27.32) 43.95,27.32 43.84,27.44 40.73,27.44 40.37,27.8 U125.26 ; U107.26 54.37,59.8 54.73,59.44 57.84,59.44 57.95,59.32 v1(58.02,59.32) ; U133.26 26.37,11.8 26.73,11.44 29.84,11.44 29.95,11.32 v1(30.02,11.32) ; v1(30.02,59.32) 29.95,59.32 29.84,59.44 26.73,59.44 26.37,59.8 U103.26 ; U111.26 12.37,43.8 12.73,43.44 15.84,43.44 15.95,43.32 v1(16.02,43.32) ; U115.26 40.37,43.8 40.73,43.44 43.84,43.44 43.95,43.32 v1(44.02,43.32) ; v1(58.02,43.32) 57.95,43.32 57.84,43.44 54.73,43.44 54.37,43.8 U117.26 ; U131.26 12.37,11.8 12.73,11.44 15.84,11.44 15.95,11.32 v1(16.02,11.32) ; U123.26 26.37,27.8 26.73,27.44 29.84,27.44 29.95,27.32 v1(30.02,27.32) ; v1(44.02,59.32) 43.95,59.32 43.84,59.44 40.73,59.44 40.37,59.8 U105.26 ; v1(72.02,27.32) 71.95,27.32 71.84,27.44 68.73,27.44 68.37,27.8 U129.26 ; v1(44.02,11.32) 43.95,11.32 43.84,11.44 40.73,11.44 40.37,11.8 U135.26 ; U119.26 68.37,43.8 68.73,43.44 71.84,43.44 71.95,43.32 v1(72.02,43.32) ; v1(16.02,27.32) 15.95,27.32 15.84,27.44 12.73,27.44 12.37,27.8 U121.26 ; v1(58.02,27.32) 57.95,27.32 57.84,27.44 54.73,27.44 54.37,27.8 U127.26 ; U137.26 54.37,11.8 54.73,11.44 57.84,11.44 57.95,11.32 v1(58.02,11.32) ; v1(16.02,59.32) 15.95,59.32 15.84,59.44 12.73,59.44 12.37,59.8 U101.26 ; U109.26 68.37,59.8 68.73,59.44 71.84,59.44 71.95,59.32 v1(72.02,59.32) ; v1(72.02,11.32) 71.95,11.32 71.84,11.44 68.73,11.44 68.37,11.8 U139.26
/pad_58: length 61.3
  Top w0.1: 28.8,12.8 27.73,12.8 v1(27.67,12.74) ; 28.8,28.8 27.73,28.8 v1(27.67,28.74) ; 56.8,44.8 55.73,44.8 v1(55.67,44.74) ; v1(69.67,12.74) 69.73,12.8 70.8,12.8 ; 42.8,12.8 41.73,12.8 v1(41.67,12.74) ; 56.8,28.8 55.73,28.8 v1(55.67,28.74) ; v1(27.67,44.74) 27.73,44.8 28.8,44.8 ; v1(41.67,60.74) 41.73,60.8 42.8,60.8 ; 14.8,12.8 13.73,12.8 v1(13.67,12.74) ; v1(13.67,60.74) 13.73,60.8 14.8,60.8 ; 14.8,44.8 13.73,44.8 v1(13.67,44.74) ; 42.8,28.8 41.73,28.8 v1(41.67,28.74) ; 56.8,60.8 55.73,60.8 v1(55.67,60.74) ; 70.8,44.8 69.73,44.8 v1(69.67,44.74) ; 42.8,44.8 41.73,44.8 v1(41.67,44.74) ; 70.8,28.8 69.73,28.8 v1(69.67,28.74) ; v1(55.67,12.74) 55.73,12.8 56.8,12.8 ; v1(69.67,60.74) 69.73,60.8 70.8,60.8 ; v1(27.67,60.74) 27.73,60.8 28.8,60.8 ; 14.8,28.8 13.73,28.8 v1(13.67,28.74)
  Bottom w0.1: v1(55.67,28.74) 54.96,28.74 54.71,29 U127.23 ; v1(41.67,60.74) 40.96,60.74 40.71,60.99 U105.23 ; v1(41.67,44.74) 40.96,44.74 40.71,45 U115.23 ; U107.23 54.71,60.99 54.96,60.74 v1(55.67,60.74) ; v1(69.67,60.74) 68.97,60.74 68.71,60.99 U109.23 ; U121.23 12.71,29 12.96,28.74 v1(13.67,28.74) ; v1(27.67,12.74) 26.96,12.74 26.71,13 U133.23 ; U123.23 26.71,29 26.96,28.74 v1(27.67,28.74) ; U135.23 40.71,13 40.96,12.74 v1(41.67,12.74) ; U111.23 12.71,45 12.96,44.74 v1(13.67,44.74) ; U125.23 40.71,29 40.96,28.74 v1(41.67,28.74) ; v1(55.67,12.74) 54.96,12.74 54.71,13 U137.23 ; v1(27.67,44.74) 26.96,44.74 26.71,45 U113.23 ; U103.23 26.71,60.99 26.96,60.74 v1(27.67,60.74) ; U119.23 68.71,45 68.97,44.74 v1(69.67,44.74) ; v1(69.67,28.74) 68.97,28.74 68.71,29 U129.23 ; v1(69.67,12.74) 68.97,12.74 68.71,13 U139.23 ; v1(13.67,60.74) 12.96,60.74 12.71,60.99 U101.23 ; U131.23 12.71,13 12.96,12.74 v1(13.67,12.74) ; U117.23 54.71,45 54.96,44.74 v1(55.67,44.74)